# Altium PCB 串口板2.0.PcbDoc (part 1 of 2)
Units mil, origin at the board's own origin, x right, y up, seen from the top; angles counter-clockwise.
Board outline 4527.56 x 2952.76 mil, 2 copper layers (Top Layer, Bottom Layer); 155 components, 162 nets, 567 pads, 185 vias.
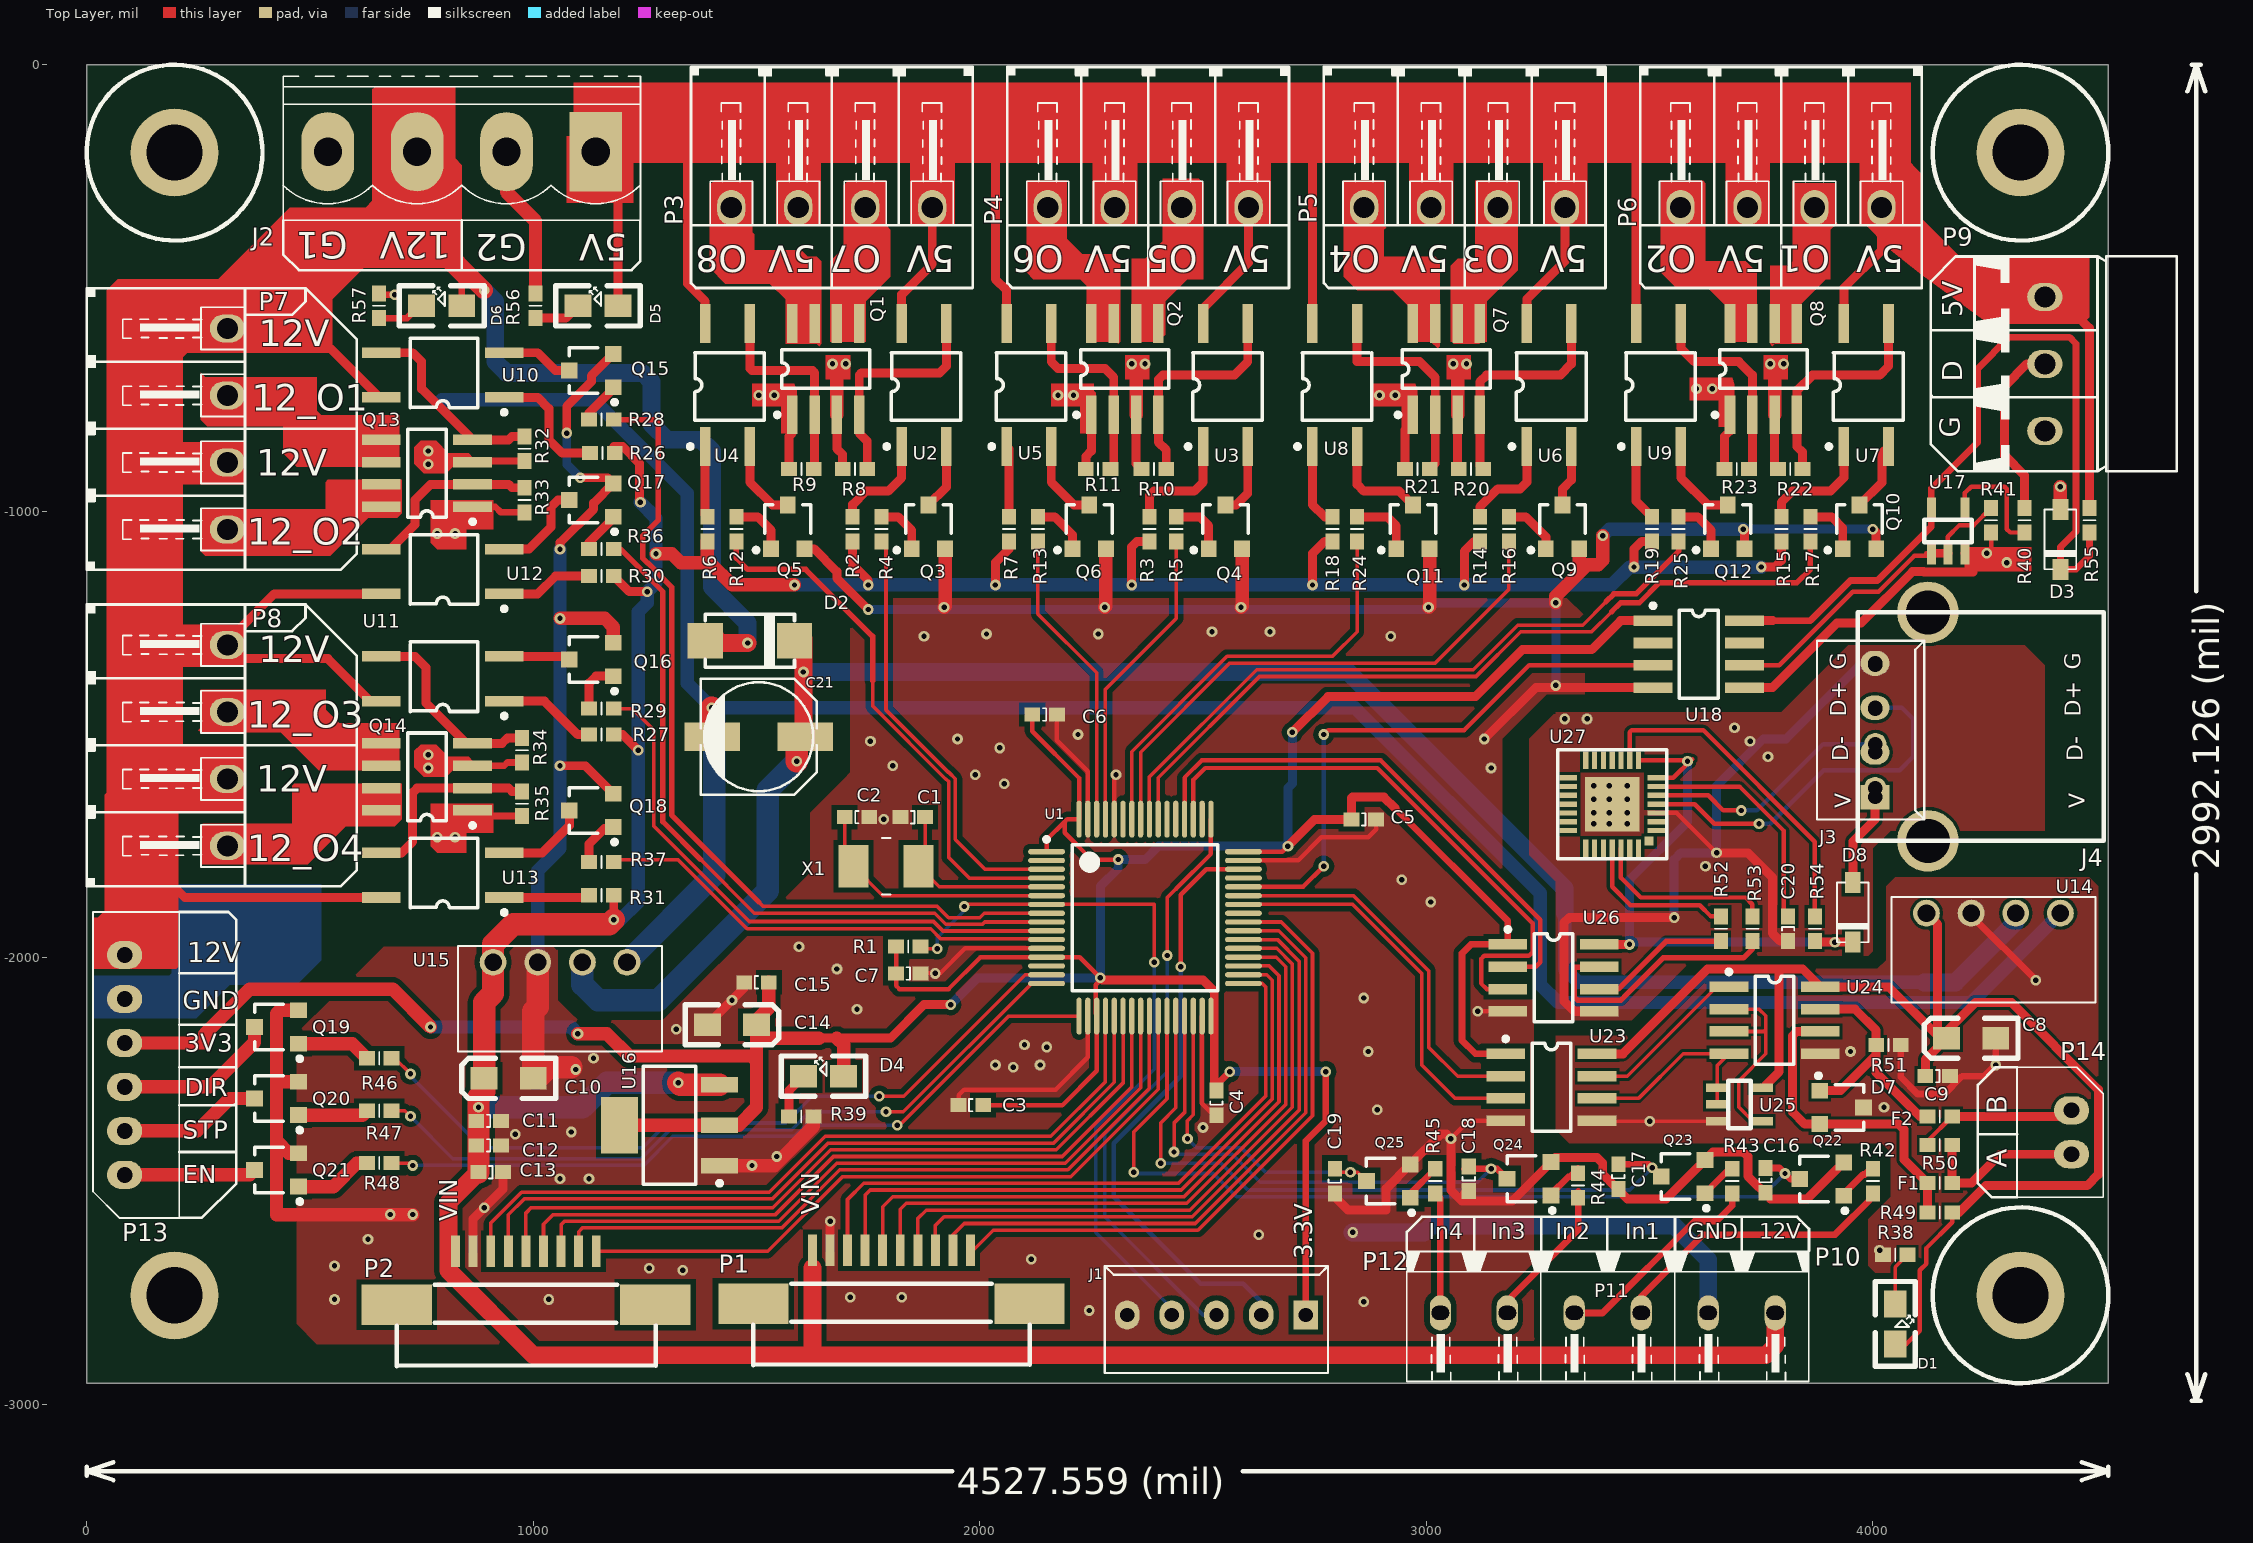
[diagram p0: Top Layer view]
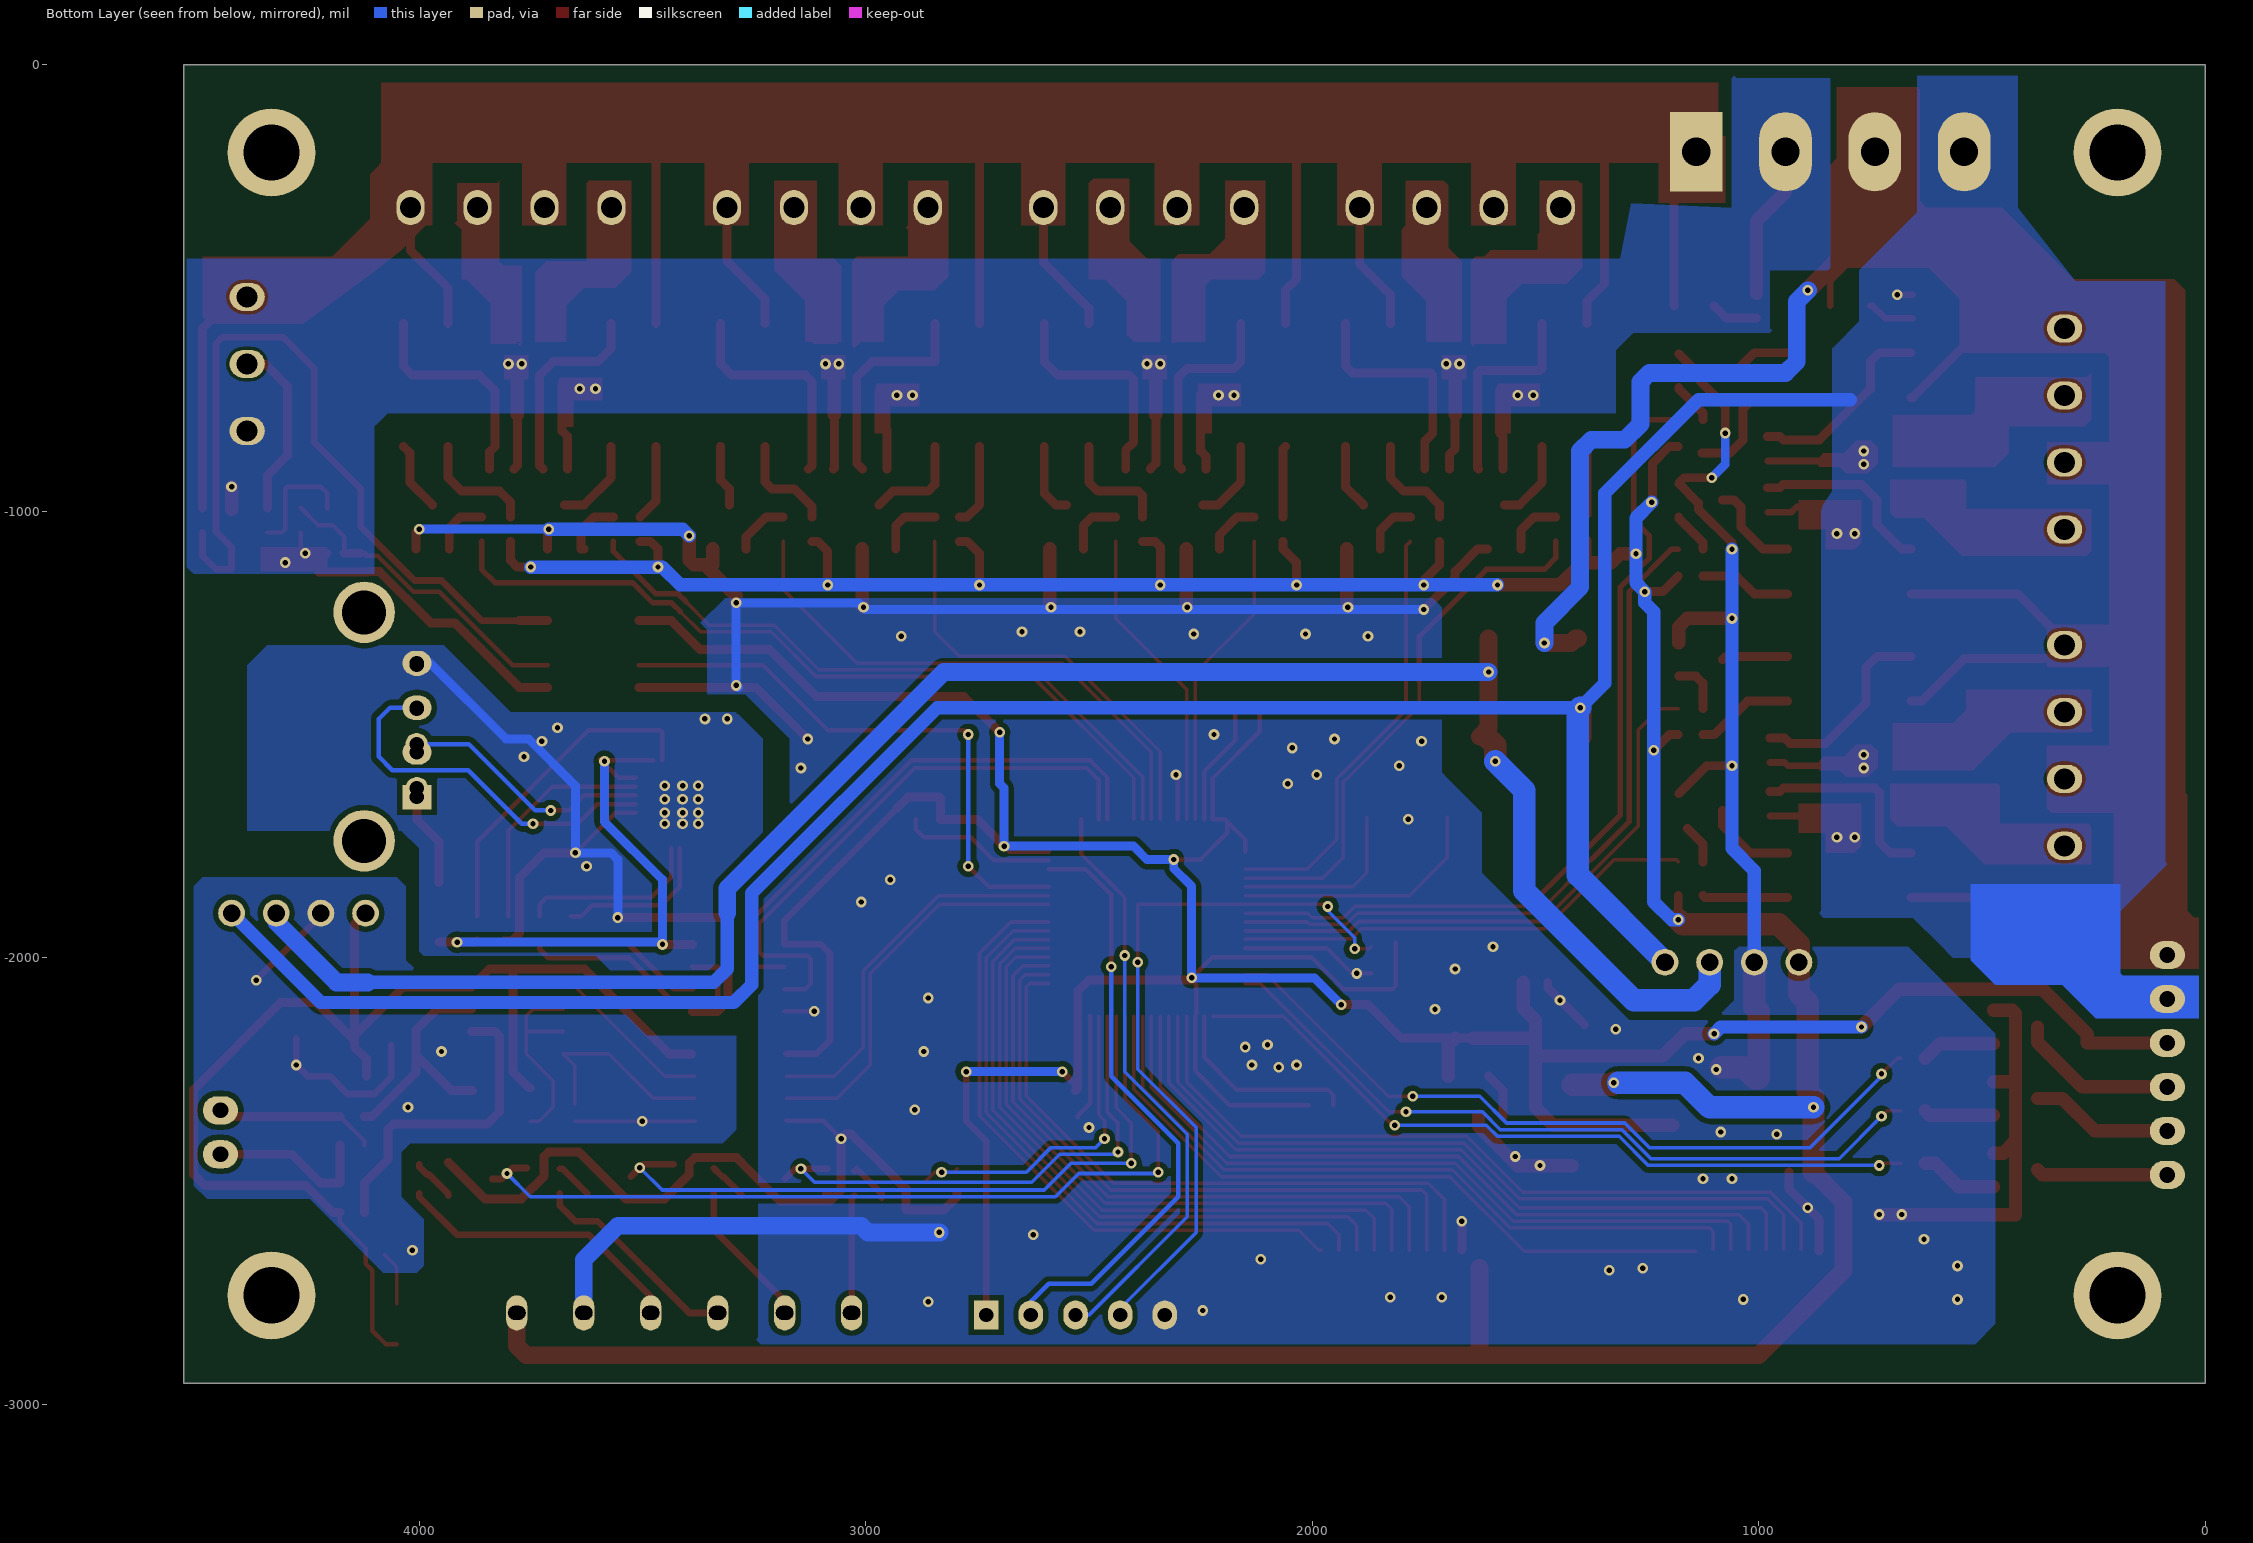
[diagram p1: Bottom Layer view, seen from below]

## Layer stack, top to bottom
Top Solder: solder mask 0.4, Solder Resist, Dk 3.5
Top Layer: signal copper 1.4
Dielectric 1: dielectric 12.6, FR-4, Dk 4.8
Bottom Layer: signal copper 1.4
Bottom Solder: solder mask 0.4, Solder Resist, Dk 3.5

## Board outline
0,-2952.76 4527.56,-2952.76 4527.56,0 0,0

## Design rules (kind name [scope] priority, off if disabled: settings)
Clearance [All] p1: gap=7
ComponentClearance [All] p1 off: gap=10 collisioncheckmode=3 verticalgap=100000 showdistances=FALSE
PolygonConnect [All] p1: connectstyle=Direct reliefconductorwidth=10 reliefentries=2 polygonreliefangle="90 Angle" airgapwidth=10
RoutingVias [All] p1: holewidth=15 width=25 viastyle="Through Hole" minholewidth=15 minwidth=25 maxholewidth=28 maxwidth=50
SolderMaskExpansion [All] p1: expansion=4
Width [All] p1: maxlimit=300 minlimit=7 preferedwidth=10
29 further rules are at their usual default settings.

## Classes and differential pairs
component class MCU: C1 C2 C3 C4 C5 C6 C7 J1 P1 P2 R1 U1 X1
component class U_MOS输出: P3 P4 P5 P6 P7 P8 Q1 Q2 Q3 Q4 Q5 Q6 Q7 Q8 Q9 Q10 Q11 Q12 Q13 Q14 Q15 Q16 Q17 Q18 R2 R3 R4 R5 R6 R7 R8 R9 R10 R11 R12 R13 R14 R15 R16 R17 R18 R19 R20 R21 R22 R23 R24 R25 R26 R27 R28 R29 R30 R31 R32 R33 R34 R35 R36 R37 U2 U3 U4 U5 U6 U7 U8 U9 U10 U11 U12 U13
component class U_Power: C8 C9 C10 C11 C12 C13 C14 C15 C21 D1 D2 D4 D5 D6 J2 R38 R39 R56 R57 U14 U15 U16
component class U_接口: C16 C17 C18 C19 D3 P9 P10 P11 P12 P13 Q19 Q20 Q21 Q22 Q23 Q24 Q25 R40 R41 R42 R43 R44 R45 R46 R47 R48 R55 U17 U18
component class U_通信: C20 D7 D8 F1 F2 J3 J4 P14 R49 R50 R51 R52 R53 R54 U23 U24 U25 U26 U27

## Components (designator, comment, footprint, x,y, rotation, side; value= is the part's Value field where it differs from the comment)
C1 "20pF" 1608C 1850,-1685 r180 top
C2 "20pF" 1608C 1725,-1685 r0 top
C3 "0.1uF" 1608C 1980,-2330 r0 top
C4 "0.1uF" 1608C 2530,-2325 r90 top
C5 "0.1uF" 1608C 2860,-1690 r180 top
C6 "0.1uF" 1608C 2145,-1455 r180 top
C7 "0.1uF" 1608C 1840,-2035 r180 top
C8 "10uF/16V" 3216 4165,-2180 r180 top
C9 "0.1uF" 1608C 4145,-2265 r180 top
C10 "10uF/16V" 3216 890,-2270 r180 top
C11 "1uF" 1608C 900,-2365 r180 top
C12 "100nF" 1608C 900,-2420 r180 top
C13 "10nF" 1608C 905,-2480 r180 top
C14 "10uF/10V" 3216 1500,-2150 r0 top
C15 "0.1uF" 1608C 1500,-2055 r0 top
C16 "100nF" 1608C 3759.25,-2498.47 r90 top
C17 "100nF" 1608C 3430,-2490 r90 top
C18 "100nF" 1608C 3095,-2495 r90 top
C19 "100nF" 1608C 2795,-2500 r90 top
C20 "0.1uF" 1608C 3810,-1935 r270 top
C21 "100uF/25V" ECS6.3/6.6 1505,-1505 r0 top (schematic designator C11)
D1 "兰色发光二极管" LED/S 4050,-2865 r90 top (schematic designator D6)
D2 "SS54" SMA_DO-214AC 1385,-1290 r0 top
D3 "" SOD-123 4420,-1130 r90 top
D4 "兰色发光二极管" LED/S 1695,-2265 r180 top (schematic designator D6)
D5 "兰色发光二极管" LED/S 1190,-540 r180 top (schematic designator D6)
D6 "兰色发光二极管" LED/S 840,-540 r180 top
D7 "SM712" sot-23 3930,-2335 r270 top
D8 "Diode" SOD-123 3955,-1965 r90 top
F1 "30mA PPTC" 1608 4150,-2504.51 r180 top
F2 "30mA PPTC" 1608 4150,-2355 r180 top
J1 "SWD" ch2.5/5 2730,-2800 r180 top (schematic designator J2)
J2 "电源输入" KF2EDGV-5.08/4 1140,-195 r180 top
J3 "USB" ch2.5/4 4005,-1640 r90 top
J4 "USB" USB-A-M 4005,-1620 r0 top
P1 "Header 10" FPC-10B 1625,-2655 r0 top
P2 "Header 9" FPC-9B 720,-2710 r0 top
P3 "" CAN3.81W/4 1893.5,-319.96 r180 top locked
P4 "" CAN3.81W/4 2602.17,-319.96 r180 top locked
P5 "" CAN3.81W/4 3310.83,-319.96 r180 top locked
P6 "" CAN3.81W/4 4019.49,-319.96 r180 top locked
P7 "" CAN3.81W/4 314.96,-590.55 r270 top locked
P8 "" CAN3.81W/4 314.96,-1299.21 r270 top locked
P9 "" KF2EDGV-3.81/3 4385,-820 r90 top
P10 "" KF128-3.81-2P 3706.3,-2795.28 r0 top locked
P11 "" KF128-3.81-2P 3406.3,-2795.28 r0 top locked
P12 "" KF128-3.81-2P 3106.3,-2795.28 r0 top locked
P13 "" 5264-6 85,-2240 r90 top
P14 "485" 5264-2 4445,-2440 r90 top
Q1 "AO4882" so8 1655,-681.77 r90 top
Q2 "AO4882" so8 2325,-681.77 r90 top
Q3 "9013" sot-23 1885,-1035 r0 top
Q4 "9013" sot-23 2550,-1035 r0 top
Q5 "9013" sot-23 1570,-1035 r0 top
Q6 "9013" sot-23 2245,-1035 r0 top
Q7 "AO4882" so8 3045,-681.77 r90 top
Q8 "AO4882" so8 3755,-681.77 r90 top
Q9 "9013" sot-23 3305,-1035 r0 top
Q10 "9013" sot-23 3970,-1035 r0 top
Q11 "9013" sot-23 2970,-1035 r0 top
Q12 "9013" sot-23 3675,-1035 r0 top
Q13 "AO4882" so8 761.77,-915 r180 top
Q14 "AO4882" so8 761.77,-1595 r180 top
Q15 "9013" sot-23 1130,-685 r90 top
Q16 "9013" sot-23 1130,-1332 r90 top
Q17 "9013" sot-23 1130,-975 r90 top
Q18 "9013" sot-23 1130,-1670 r90 top
Q19 "9013" sot-23 425,-2155 r90 top
Q20 "9013" sot-23 425,-2315 r90 top
Q21 "9013" sot-23 425,-2475 r90 top
Q22 "9013" sot-23 3885.25,-2495.47 r90 top
Q23 "9013" sot-23 3575,-2490 r90 top
Q24 "9013" sot-23 3230,-2495 r90 top
Q25 "9013" sot-23 2915,-2500 r90 top
R1 "10K" 1608 1840,-1975 r0 top
R2 "1K" 1608 1715,-1040 r270 top
R3 "1K" 1608 2380,-1040 r270 top
R4 "5K6" 1608 1780,-1040 r270 top
R5 "5K6" 1608 2440,-1040 r270 top
R6 "1K" 1608 1390,-1040 r270 top
R7 "1K" 1608 2065,-1040 r270 top
R8 "10K" 1608 1720.47,-905.25 r0 top
R9 "10K" 1608 1600.47,-905.25 r180 top
R10 "10K" 1608 2390,-905.25 r0 top
R11 "10K" 1608 2265,-905.25 r180 top
R12 "5K6" 1608 1455,-1040 r270 top
R13 "5K6" 1608 2130,-1040 r270 top
R14 "1K" 1608 3120,-1040 r270 top
R15 "1K" 1608 3795,-1040 r270 top
R16 "5K6" 1608 3185,-1040 r270 top
R17 "5K6" 1608 3860,-1040 r270 top
R18 "1K" 1608 2790,-1040 r270 top
R19 "1K" 1608 3505,-1040 r270 top
R20 "10K" 1608 3100,-905.25 r0 top
R21 "10K" 1608 2980,-905.25 r180 top
R22 "10K" 1608 3815,-905.25 r0 top
R23 "10K" 1608 3695,-905.25 r180 top
R24 "5K6" 1608 2845,-1040 r270 top
R25 "5K6" 1608 3565,-1040 r270 top
R26 "1K" 1608 1155,-870 r0 top
R27 "1K" 1608 1152.64,-1500 r0 top
R28 "5K6" 1608 1152.64,-795 r0 top
R29 "5K6" 1608 1152.64,-1442 r0 top
R30 "1K" 1608 1152.64,-1145 r0 top
R31 "1K" 1608 1152.64,-1860 r0 top
R32 "10K" 1608 980,-860 r90 top
R33 "10K" 1608 980,-975 r270 top
R34 "10K" 1608 975,-1535 r90 top
R35 "10K" 1608 975,-1655 r270 top
R36 "5K6" 1608 1152.64,-1085 r0 top
R37 "5K6" 1608 1152.64,-1785 r0 top
R38 "2K" 1608 4050,-2665 r180 top
R39 "2K" 1608 1600,-2355 r0 top
R40 "33R" 1608 4340,-1020 r270 top
R41 "10K" 1608 4265,-1020 r90 top
R42 "1K" 1608 4000,-2500 r270 top
R43 "1K" 1608 3685,-2500 r270 top
R44 "1K" 1608 3340,-2510 r270 top
R45 "1K" 1608 3020,-2500 r270 top
R46 "5K6" 1608 655,-2225 r180 top
R47 "5K6" 1608 655,-2342.5 r180 top
R48 "5K6" 1608 655,-2460 r180 top
R49 "10K" 1608 4150,-2570 r180 top
R50 "120R" 1608 4150,-2419.51 r0 top
R51 "10K" 1608 4035,-2195 r180 top
R52 "" 1608 3660,-1935 r270 top
R53 "" 1608 3730,-1935 r270 top
R54 "" 1608 3870,-1935 r270 top
R55 "33R" 1608 4485,-1020 r270 top
R56 "2K" 1608 1005,-540 r90 top
R57 "2K" 1608 655,-540 r90 top
U1 "STM32F105R" LQFP64_M 2370,-1910 r0 top locked
U2 "357n" 375N 1885,-580 r90 top
U3 "357n" 375N 2560,-580 r90 top
U4 "357n" 375N 1445,-580 r90 top
U5 "357n" 375N 2120,-580 r90 top
U6 "357n" 375N 3285,-580 r90 top
U7 "357n" 375N 3995,-580 r90 top
U8 "357n" 375N 2805,-580 r90 top
U9 "357n" 375N 3530,-580 r90 top
U10 "357n" 375N 660,-685 r180 top
U11 "357n" 375N 660,-1365 r180 top
U12 "357n" 375N 660,-1125 r180 top
U13 "357n" 375N 660,-1805 r180 top
U14 "1205S-1W" B0505S 4270,-1900 r180 top
U15 "1209S-2W" B0505S 1060,-2010 r180 top
U16 "AMS1117-3.3V" SOT223_L 1305,-2375 r180 top
U17 "SN74LVC1G04DBVRG4" SOT-23-5 4145,-1045 r180 top
U18 "ADUM1201" so8 3610,-1320 r0 top
U23 "ADUM1201" so8 3280,-2290 r0 top
U24 "SN65HVD11DR" so8 3780,-2140 r0 top
U25 "SN74LVC1G04DBVRG4" sot-23-5 3700,-2305 r90 top
U26 "ADUM1201" so8 3285,-2045 r0 top
U27 "CP2102" QFN-28 3515,-1715 r180 top
X1 "25MHz" SMD2_50X32 1790,-1795 r180 top
